# Altium PCB uStepper.PcbDoc (part 2 of 2) (continued)
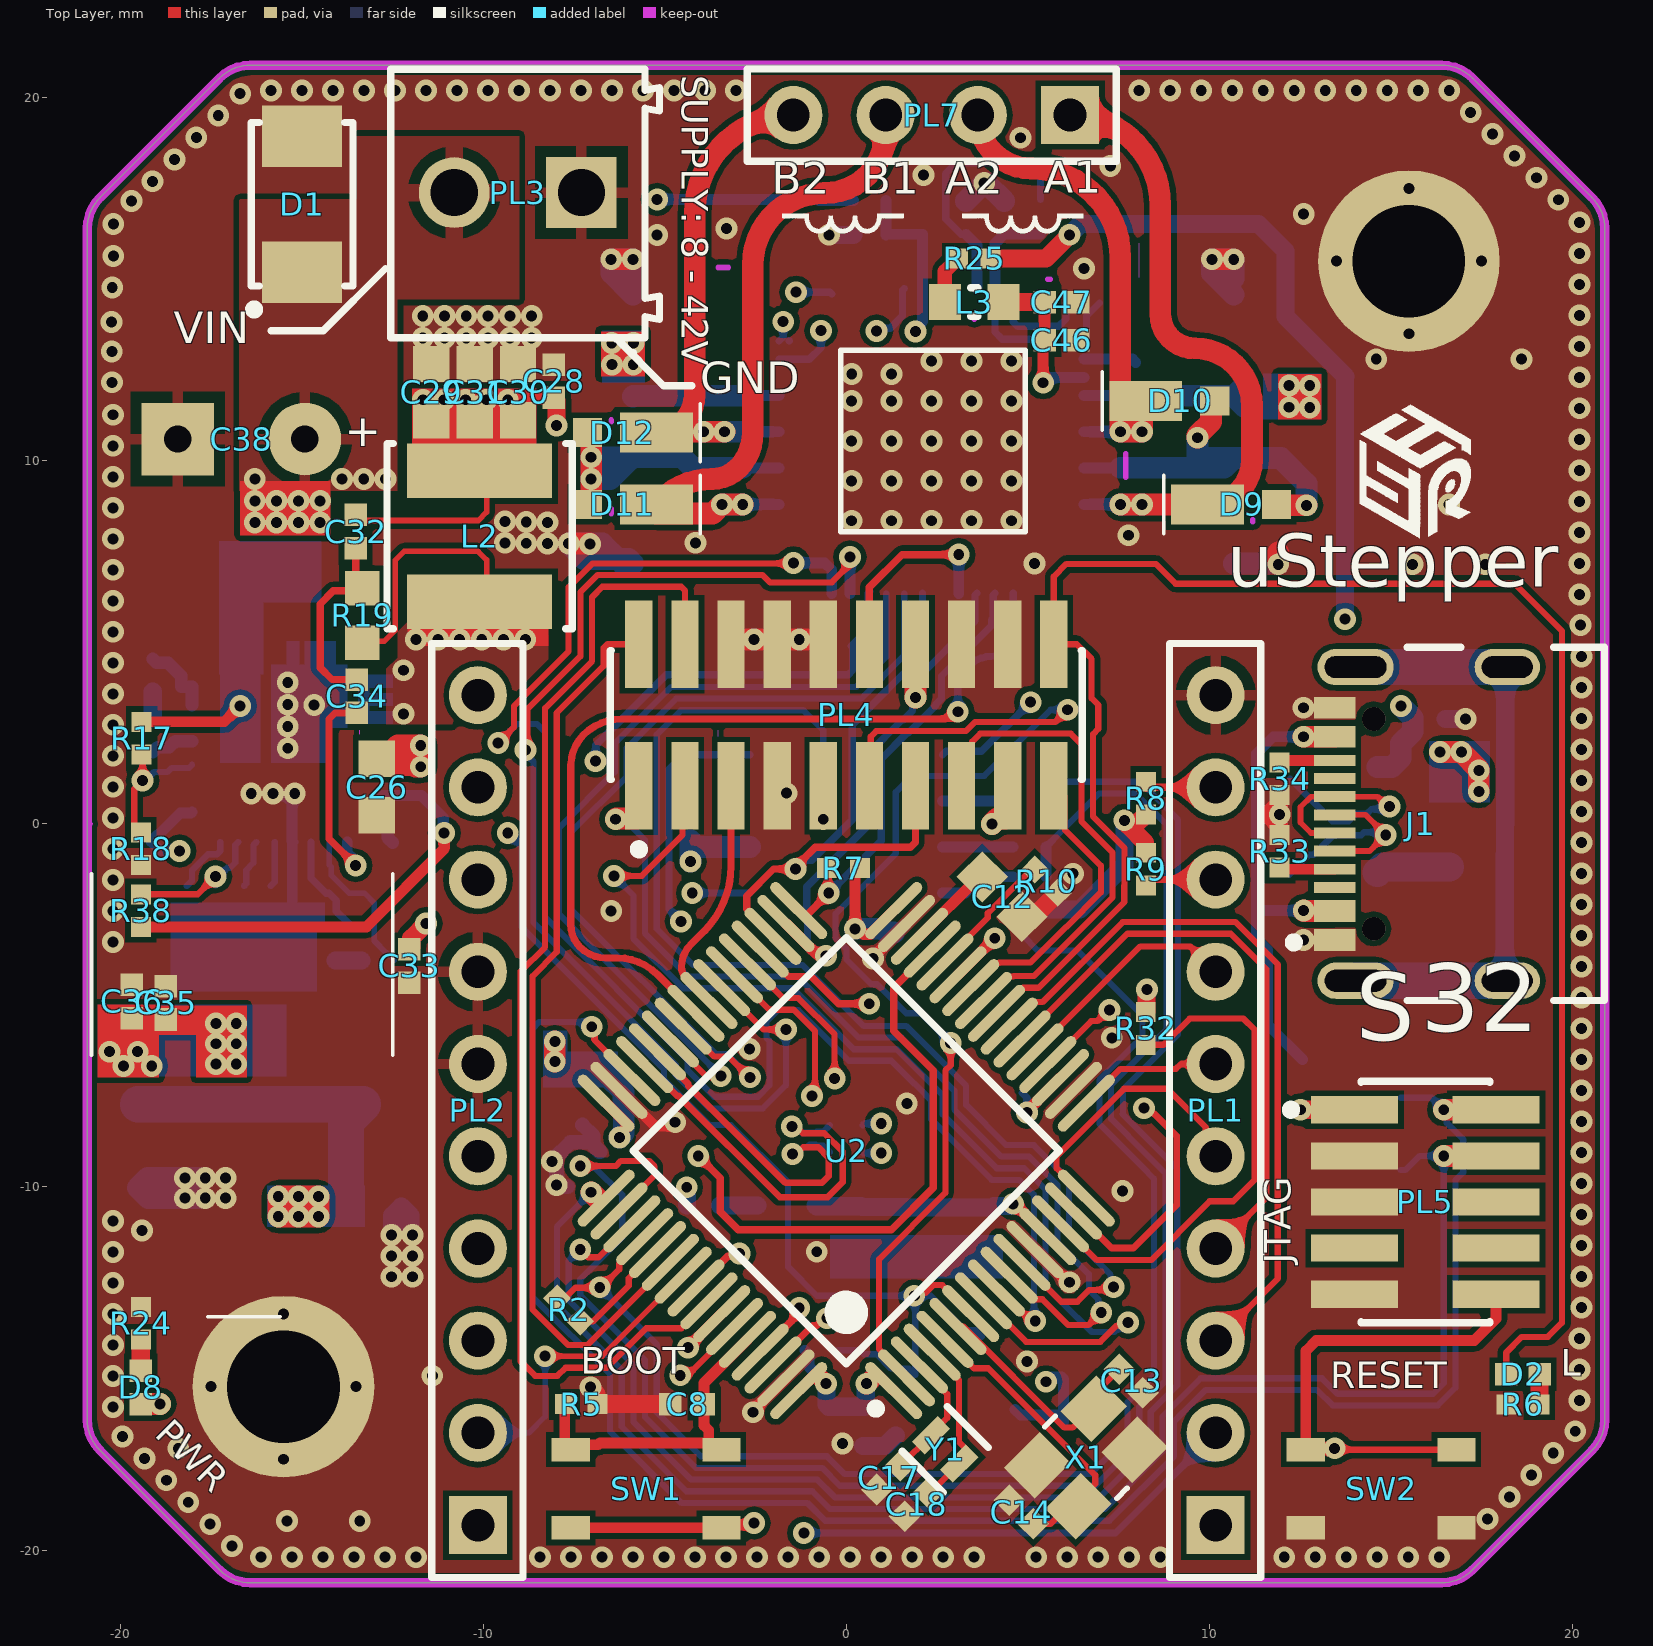
[diagram p0: Top Layer view]
## Nets (pads, with @x,y where several pads share a name; then routed paths per layer and width w, separated by ;. In a path a pad name is that pad's centre, name@x,y a point inside that pad or via, vN(x,y) a via of type N, cw(c..) or ccw(c..) an arc to the next point about the centre after c; other vN are vias at no path point) (continued)
  Bottom Layer w0.2: C48.2@3.3,16.24 3.16,16.24 2.738,16.663 2.738,17.913 3.027,18.202 5.048,18.202 5.35,17.9 R26.2@5.35,17.2
  Bottom Layer w0.3: C48.2@3.3,16.24 3.6,15.94 U5.33@3.6,14.75
NetC50_1: C50.1 R29.1 R30.1 R32.2 U5.30 | length 34.9
  Top Layer w0.5: R32.2@8.25,-5.184 8.269,-5.166 8.269,-4.576 v1(8.287,-4.558)
  Signal w0.2: v1(1.905,13.564) 1.88,13.539 1.88,13.101 1.755,12.975 0.365,12.975 0.152,13.188 0.152,14.148 0.52,14.516 5.163,14.516 6.778,12.901 6.778,7.507 9.093,5.191 9.093,-3.349 8.31,-4.132 8.31,-4.535 v1(8.287,-4.558)
  Bottom Layer w0.3: R30.1@1.1,17.175 1.096,17.171 1.096,16.717 1.092,16.713 1.096,16.709 1.096,16.229 R29.1@1.1,16.225 1.115,16.24 C50.1@2.1,16.24 U5.30@2.1,14.75 2.1,13.84 1.905,13.645 v1(1.905,13.564)
NetC51_1: C51.1 D11.1 D12.1 R28.2 U5.17 | length 11.8
  Top Layer w0.6: D11.1@-7.125,8.8 -7.025,8.9 v1(-7.025,9.5) v1(-7.025,10.1) -7.025,10.675 D12.1@-7.125,10.775
  Signal w0.6: v1(-7.025,9.5) v1(-7.025,10.1)
  GND w0.6: v1(-7.025,9.5) v1(-7.025,10.1)
  VCC w0.6: v1(-7.025,9.5) v1(-7.025,10.1)
  GND2 w0.6: v1(-7.025,9.5) v1(-7.025,10.1)
  Bottom Layer w0.3: -2.85,9.81 -2.84,9.8 U5.17@-1.85,9.8
  Bottom Layer w0.6: R28.2@-5.875,10.075 R28.2@-5.9,10.1 ; -2.85,9.81 C51.1@-4.225,9.81 -4.515,10.1 R28.2@-5.9,10.1 ; R28.2@-5.9,10.1 -6.5,9.5 v1(-7.025,9.5) v1(-7.025,10.1) R28.2@-5.9,10.1
NetC52_1: C52.1 D9.1 D10.1 R27.2 U5.44 | length 11.1
  Top Layer w0.6: v1(9.675,10.638) 9.675,10.7 10.05,11.075 10.05,11.55 D10.1@10.15,11.65 ; D9.1@11.85,8.8 11.875,8.775 v1(12.675,8.775)
  Bottom Layer w0.3: U5.44@6.55,9.8 7.54,9.8 7.55,9.81
  Bottom Layer w0.6: 7.55,9.81 10.41,9.81 R27.2@10.675,10.075 ; v1(9.675,10.638) 9.675,9.842 9.908,10.075 R27.2@10.675,10.075 ; v1(12.675,8.775) 12.675,9.375 11.975,10.075 R27.2@10.675,10.075
NetC53_2: C53.2 D7.2 J1.1 J1.2 J1.3 J1.4 R35.2 | length 17.1
  Bottom Layer w0.5: J1.3@18.208,-4.32 18.14,-4.252 18.14,-1.905 18.14,-1.702 C53.2@18.14,-0.838 18.145,-0.833 18.145,-0.005 R35.2@18.15,0 18.15,4.262 J1.4@18.208,4.32
  Bottom Layer w1: J1.1@14.028,-4.32 J1.3@18.208,-4.32 ; J1.2@14.028,4.32 J1.4@18.208,4.32
NetD2_2: D2.2 R6.2 | length 0.8
  Top Layer w0.5: R6.2@19.09,-15.991 19.095,-15.986 19.095,-15.164 D2.2@19.1,-15.159
NetD3_1: D3.1 F1.1 | length 2
  Bottom Layer w0.8: F1.1@14.626,-1.336 14.776,-1.186 D3.1@16.609,-1.186
NetD6_2: D6.2 F1.2 J1.A4-B9 J1.B4-A9 TP5.1 | length 19.6
  Top Layer w0.6: v1(12.598,2.4) J1.B4-A9@13.453,2.4 ; v1(12.6,-2.389) 12.611,-2.4 J1.A4-B9@13.453,-2.4
  Signal w0.6: v1(12.598,2.4) 12.883,2.115 14.849,2.115 15.303,2.569 15.303,3.225 v1(15.283,3.246)
  Bottom Layer w0.3: TP5.1@12.571,-6.491 11.611,-5.53 11.611,-3.47 11.294,-3.153 11.294,-2.403 ; v1(12.598,2.4) 11.761,2.4 11.294,1.933 11.294,-2.403 ; v1(12.6,-2.389) 11.309,-2.389 11.294,-2.403
  Bottom Layer w0.6: F1.2@14.626,1.564 15.026,1.564 15.276,1.814 15.276,2.214 15.603,2.541 D6.2@15.603,2.894 15.603,2.926 v1(15.283,3.246)
NetD8_2: D8.2 R24.2 | length 0.9
  Top Layer w0.5: D8.2@-19.431,-15.061 R24.2@-19.431,-14.203
NetD9_2: D9.2 PL7.1 U5.46 | length 20.7
  Top Layer w0.6: PL7.1@6.165,19.525 cw(c6.165,17.04) 8.65,17.04 8.65,14.05 ccw(c9.6,14.05) 9.6,13.1 cw(c9.6,11.525) 11.175,11.525 11.175,10.025 cw(c9.95,10.025) D9.2@9.95,8.8 v1(8.15,8.8) v1(7.55,8.8)
  Signal w0.6: v1(7.55,8.8) v1(8.15,8.8)
  GND w0.6: v1(7.55,8.8) v1(8.15,8.8)
  VCC w0.6: v1(7.55,8.8) v1(8.15,8.8)
  GND2 w0.6: v1(7.55,8.8) v1(8.15,8.8)
  Bottom Layer w0.3: U5.46@6.55,8.8 v1(7.55,8.8)
  Bottom Layer w0.6: v1(7.55,8.8) v1(8.15,8.8)
NetD10_2: D10.2 PL7.2 U5.42 | length 16.5
  Top Layer w0.6: PL7.2@3.625,19.525 ccw(c5.1,19.525) 5.1,18.05 cw(c5.1,15.6) 7.55,15.6 v1(7.55,10.8) v1(8.15,10.8) 8.15,11.55 D10.2@8.25,11.65
  Signal w0.6: v1(7.55,10.8) v1(8.15,10.8)
  GND w0.6: v1(7.55,10.8) v1(8.15,10.8)
  VCC w0.6: v1(7.55,10.8) v1(8.15,10.8)
  GND2 w0.6: v1(7.55,10.8) v1(8.15,10.8)
  Bottom Layer w0.3: U5.42@6.55,10.8 v1(7.55,10.8)
  Bottom Layer w0.6: v1(7.55,10.8) v1(8.15,10.8)
NetD11_2: D11.2 PL7.3 U5.15 | length 21.1
  Top Layer w0.6: v1(-2.85,8.8) v1(-3.425,8.8) -3.675,8.55 -5.225,8.55 D11.2@-5.225,8.8 -5.108,8.917 cw(c-3.7,7.508) -3.7,9.5 ccw(c-3.7,10.526) -2.974,9.801 ccw(c-3.939,10.765) -2.575,10.765 -2.575,15.4 cw(c-0.6,15.4) -0.6,17.375 ccw(c-0.6,19.06) 1.085,19.06 PL7.3@1.085,19.525 ccw(c1.109,19.501) PL7.3@1.075,19.501
  Signal w0.6: v1(-3.425,8.8) v1(-2.85,8.8)
  GND w0.6: v1(-3.425,8.8) v1(-2.85,8.8)
  VCC w0.6: v1(-3.425,8.8) v1(-2.85,8.8)
  GND2 w0.6: v1(-3.425,8.8) v1(-2.85,8.8)
  Bottom Layer w0.3: v1(-2.85,8.8) -2.84,8.8 U5.15@-1.85,8.8
  Bottom Layer w0.6: v1(-3.425,8.8) v1(-2.85,8.8)
NetD12_2: D12.2 PL7.4 U5.19 | length 17.2
  Top Layer w0.6: v1(-3.35,10.8) v1(-3.925,10.8) D12.2@-4.997,10.8 ; PL7.4@-1.475,19.477 cw(c-1.407,19.477) PL7.4@-1.455,19.525 ccw(c-1.455,16.805) -4.175,16.805 -4.175,11.825 cw(c-5.225,11.825) D12.2@-4.997,10.8 ; D12.2@-4.997,10.8 cw(c-5.225,11.825) D12.2@-5.225,10.775 cw(c-5.2,10.775) -5.2,10.8 D12.2@-4.997,10.8
  Signal w0.6: v1(-3.925,10.8) v1(-3.35,10.8)
  GND w0.6: v1(-3.925,10.8) v1(-3.35,10.8)
  VCC w0.6: v1(-3.925,10.8) v1(-3.35,10.8)
  GND2 w0.6: v1(-3.925,10.8) v1(-3.35,10.8)
  Bottom Layer w0.3: -2.85,10.8 U5.19@-1.85,10.8
  Bottom Layer w0.6: v1(-3.925,10.8) v1(-3.35,10.8) -2.85,10.8
NetJ1_A5: J1.A5 R33.2 | length 1.4
  Top Layer w0.3: R33.2@12.064,-1.2 12.114,-1.25 J1.A5@13.453,-1.25
NetJ1_B5: J1.B5 R34.2 | length 1.4
  Top Layer w0.3: R34.2@12.064,1.7 12.114,1.75 J1.B5@13.453,1.75
NetL1_1: L1.1 R12.2 | length 1
  Bottom Layer w0.5: R12.2@-3.482,-10.511 L1.1@-2.451,-10.511
NetL2_1: L2.1 R19.1 U3.12-13-14 | length 27.4
  Top Layer w0.152: R19.1@-13.335,4.99 -13.288,5.037 -12.721,5.037 -12.427,5.331 -12.427,7.258 -12.177,7.508 -10.143,7.508 -9.906,7.271 L2.1@-9.906,6.379
  Signal w0.6: v1(-12.192,3.032) v1(-12.192,4.232) -12.192,4.724 -11.841,5.076 v1(-11.247,5.076) v1(-10.647,5.076) v1(-10.039,5.076) v1(-9.439,5.076) v1(-8.839,5.076)
  GND w0.6: v1(-12.192,3.032) v1(-12.192,4.232) -12.192,4.724 -11.841,5.076 v1(-11.247,5.076) v1(-10.647,5.076) v1(-10.039,5.076) v1(-9.439,5.076) v1(-8.839,5.076)
  VCC w0.6: v1(-12.192,3.032) v1(-12.192,4.232) -12.192,4.724 -11.841,5.076 v1(-11.247,5.076) v1(-10.647,5.076) v1(-10.039,5.076) v1(-9.439,5.076) v1(-8.839,5.076)
  GND2 w0.6: v1(-12.192,3.032) v1(-12.192,4.232) -12.192,4.724 -11.841,5.076 v1(-11.247,5.076) v1(-10.647,5.076) v1(-10.039,5.076) v1(-9.439,5.076) v1(-8.839,5.076)
  other v1: -11.847,5.076
NetL3_1: L3.1 R25.1 | length 1.3
  Top Layer w0.4: L3.1@2.72,14.375 2.72,15.22 R25.1@3.075,15.575
NetR1_2: R1.2 U1.2 | length 1.9
  Bottom Layer w0.3: U1.2@2.65,0.635 R1.2@4.598,0.635
NetR3_2: R3.2 U1.4 | length 2.1
  Bottom Layer w0.3: U1.4@2.65,-1.905 3.278,-1.905 3.726,-1.457 R3.2@4.597,-1.457
NetR4_2: R4.2 U1.3 | length 1.9
  Bottom Layer w0.3: U1.3@2.65,-0.635 R4.2@4.598,-0.635
NetR10_2: R10.2 U2.28 | length 3.6
  Top Layer w0.17: U2.28@2.722,-3.803 2.722,-3.76 3.896,-2.586 3.896,-2.456 R10.2@5.145,-1.208
NetR13_2: R13.2 U3.5 U3.6 | length 2.1
  Bottom Layer w0.35: R13.2@-19.101,4.539 -19.001,4.439 -18.68,4.439 -18.318,4.077 -18.318,3.777 U3.6@-18.018,3.777 U3.5@-18.018,3.277
NetR14_1: R14.1 U3.21 | length 4.3
  Bottom Layer w0.152: U3.21@-14.243,-0.498 -14.243,-1.125 -14.18,-1.188 -14.18,-1.42 -13.695,-1.905 -13.269,-1.905 -13.001,-2.174 -13.001,-3.219 -12.67,-3.55 -12.658,-3.55 R14.1@-12.448,-3.759
NetR15_1: R15.1 U3.24 | length 1.3
  Bottom Layer w0.175: R15.1@-15.85,-1.709 -15.743,-1.602 U3.24@-15.743,-0.498
NetR17_1: R17.1 R18.2 U3.3 | length 3.9
  Top Layer w0.17: R18.2@-19.431,-0.236 -19.611,-0.056 -19.611,0.963 v1(-19.38,1.194) -19.38,1.887 R17.1@-19.406,1.912
  Bottom Layer w0.17: v1(-19.38,1.194) -19.303,1.194 -19.066,1.431 -18.693,1.431 -18.587,1.537 -18.108,1.537 U3.3@-18.018,1.627
NetR20_1: R20.1 R23.2 U3.22 | length 2.7
  Bottom Layer w0.2: U3.22@-14.743,-0.498 -14.743,-1.495 R23.2@-14.681,-1.557 -14.331,-1.907 -14.247,-1.907 -14.044,-2.109 -14.044,-2.403 R20.1@-13.704,-2.743
NetR21_2: R21.2 U3.25 | length 1.4
  Bottom Layer w0.175: R21.2@-16.586,-1.709 -16.531,-1.653 -16.531,-1.274 -16.328,-1.072 -16.328,-0.583 U3.25@-16.243,-0.498
NetR22_2: R22.2 U3.27 | length 1.7
  Bottom Layer w0.175: R22.2@-18.161,-1.709 -18.022,-1.57 -18.022,-1.277 -17.578,-0.833 -17.33,-0.833 -17.243,-0.745 U3.27@-17.243,-0.498
NetR30_2: R30.2 R31.2 | length 0.9
  Bottom Layer w0.3: R31.2@-0.75,17.175 R30.2@0.2,17.175
NetR38_1: R38.1 U3.18 | length 12.2
  Top Layer w0.3: R38.1@-19.431,-2.839 -13.219,-2.839 -11.074,-0.694 v1(-11.074,-0.25)
  Bottom Layer w0.3: U3.18@-12.968,0.777 -11.695,0.777 -11.101,0.184 -11.101,-0.223 v1(-11.074,-0.25)
PC13: PL4.11 U2.2 | length 32.4
  Top Layer w0.17: PL4.11@0.638,1.05 0.674,1.087 0.674,2.405 0.824,2.555 3.296,2.555 3.548,2.807 5.763,2.807 v1(6.099,3.143) ; U2.2@1.662,-15.258 1.662,-15.223 0.905,-14.466 0.905,-11.991 2.733,-10.163 2.733,-6.791 2.876,-6.648 v1(2.876,-6.036)
  Bottom Layer w0.17: v1(2.876,-6.036) 2.054,-5.213 1.652,-5.213 0.857,-4.418 0.69,-4.418 0.005,-3.734 0.005,-3.44 -0.291,-3.143 -0.291,-2.472 1.365,-0.816 1.365,0.877 1.808,1.32 3.804,1.32 5.627,3.143 v1(6.099,3.143)
PD2: PL4.2 U2.54 | length 25.2
  Top Layer w0.17: PL4.2@-5.712,4.95 -6.58,4.95 -6.679,4.85 -6.679,4.35 -7.973,3.056 -7.973,-3.524 -8.641,-4.192 -8.641,-13.379 -7.668,-14.352 -7.159,-14.352 -7.157,-14.35 -7.117,-14.35 U2.54@-4.844,-12.076
SD_MD: U2.39 U5.11 | length 32.2
  Top Layer w0.17: v1(-8.832,2.032) -8.785,2.079 -8.785,3.155 -7.323,4.616 -7.323,6.383 -6.853,6.854 -2.303,6.854 -2.102,6.653 -0.396,6.653 0.018,7.067 0.018,7.268 v1(0.1,7.35) ; U2.39@-3.429,-4.51 -2.274,-5.665 v1(-1.662,-5.665)
  Bottom Layer w0.17: v1(-8.832,2.032) -8.832,1.933 -8.617,1.718 -8.617,-2.71 -8.295,-3.032 -8.295,-3.034 -4.696,-6.632 -4.696,-6.911 -3.771,-7.836 -2.296,-7.836 -1.662,-7.202 v1(-1.662,-5.665)
  Bottom Layer w0.3: U5.11@0.1,6.35 v1(0.1,7.35)
SPI_MD: U2.9 U5.12 | length 45.2
  Top Layer w0.17: v1(-9.588,2.225) -9.154,2.659 -9.154,3.241 -7.645,4.75 -7.645,6.516 -6.986,7.176 -1.469,7.176 v1(-1.455,7.19) ; U2.9@4.137,-12.783 4.172,-12.783 5.002,-13.614 5.125,-13.614 v1(5.207,-13.696)
  Bottom Layer w0.17: v1(-9.588,2.225) -9.06,2.752 -8.522,2.752 -8.295,2.525 -8.295,-2.576 -4.376,-6.495 -4.376,-6.778 -3.638,-7.516 -2.428,-7.516 -2.115,-7.203 -2.115,-5.968 -2.197,-5.887 -2.197,-5.443 -1.881,-5.128 -1.322,-5.128 0.075,-6.526 1.238,-6.526 1.876,-7.163 1.89,-7.163 2.203,-7.477 2.203,-7.491 2.34,-7.627 2.34,-8.136 4.009,-9.805 4.765,-9.805 5.171,-10.211 5.171,-13.66 v1(5.207,-13.696)
  Bottom Layer w0.3: v1(-1.455,7.19) -0.591,7.19 -0.4,6.999 U5.12@-0.4,6.35
USB_N: R36.1 U2.44 | length 9.3
  Top Layer w0.18: U2.44@-5.197,-6.278 -5.197,-6.31 -4.355,-7.153 -4.355,-7.206 -1.672,-9.889 -0.672,-9.889 -0.486,-9.704 -0.486,-9.187 -0.765,-8.908 -1.184,-8.908 -1.37,-9.094 v1(-1.484,-9.094)
  Bottom Layer w0.18: v1(-1.484,-9.094) -1.37,-9.094 -1.184,-8.908 -1.077,-8.908 -1.009,-8.839 -0.838,-8.839 -0.812,-8.865 -0.635,-8.865 R36.1@-0.45,-9.05
USB_P: R37.1 U2.45 | length 10.9
  Top Layer w0.18: U2.45@-5.551,-6.631 -5.518,-6.631 -4.668,-7.482 -4.63,-7.482 -1.833,-10.279 -0.51,-10.279 -0.096,-9.865 -0.096,-9.025 -0.604,-8.518 -1.198,-8.518 -1.385,-8.331 v1(-1.499,-8.331)
  Bottom Layer w0.18: v1(-1.499,-8.331) -1.385,-8.331 -1.198,-8.518 -1.158,-8.518 -1.147,-8.506 -0.838,-8.506 -0.812,-8.481 -0.635,-8.481 R37.1@-0.45,-8.296
VIN: C20.1 C21.1 C22.2 C25.2 C38.1 C39.2 C40.1 C41.1 C42.1 C43.1 D1.3 PL2.4 PL2.5 PL3.2 R17.2 U3.1 U3.7-8-29 U5.21 U5.40 | length 53.9
  Top Layer w0.3: R17.2@-19.406,2.812 -17.131,2.812 v1(-16.693,3.25)
  VCC w0.3: -19.063,8.326 -19.063,6.891 -18.361,6.19 v1(-18.361,-0.745)
  VCC w1: PL2.5@-10.26,-9.039 PL2.5@-10.145,-9.154
  VCC w1.5: PL2.4@-10.145,-11.694 PL2.5@-10.145,-9.154 -10.118,-9.154 -9.03,-8.066 -7.706,-8.066 ; -7.166,-7.527 -7.706,-8.066 ; -5.831,7.691 -5.831,3.569 -3.012,0.749 -3.012,-3.373 -7.706,-8.066
  GND2 w0.6: v1@-6.457,12.655 v1(-6.457,13.249) v1(-5.857,13.249) -5.857,12.659 v1(-5.867,12.649) v1(-6.452,12.649) ; v1(12.2,12.075) v1@12.204,12.071 ; v1@12.204,12.071 12.204,11.471 v1(12.767,11.471) v1(12.767,12.071) v1@12.204,12.071
  Bottom Layer w0.3: v1(-18.361,-0.745) -18.367,-0.739 -18.892,-0.739 C25.2@-19.152,-0.48 -18.992,-0.32 -18.965,-0.32 -18.343,0.302 -18.043,0.302 U3.1@-18.018,0.327 ; C41.1@-3.125,11.79 -3.115,11.8 U5.21@-1.85,11.8 ; U5.40@6.55,11.8 7.54,11.8 7.55,11.79
  Bottom Layer w0.6: C43.1@-5.875,11.775 -5.86,11.79 C41.1@-3.125,11.79 C41.1@-2.85,11.79 ; 7.55,11.79 10.66,11.79 C42.1@10.675,11.775 ; C42.1@10.975,11.475 C42.1@10.675,11.775 ; C42.1@10.975,12.075 C42.1@10.675,11.775
  other v1: -16.29,8.298 -15.69,8.298 -15.09,8.298 -14.49,8.298 -16.29,8.898 -15.69,8.898 -15.09,8.898 -14.49,8.898 -16.29,9.498 -13.89,9.498 -13.29,9.498 -12.69,9.498 12.2,11.475
pads on no net: J1.- J1.-- J1.A8 J1.B8 PL5.6 PL5.7 PL5.8 U3.2 U3.15 U5.14 U5.16 U5.18 U5.20 U5.22 U5.26 U5.27 U5.28 U5.41 U5.43 U5.45 U5.47

## Polygon pours and split planes (outlines as drawn)
GND on Bottom Layer "Btm Layer-GND" (solid, remove dead copper, pour order 18): 16.9,-20.9 20.9,-16.9 20.9,16.9 16.9,20.9 -16.9,20.9 -20.9,16.9 -20.9,-16.9 -16.9,-20.9
GND on Bottom Layer "NONET_L-01_P-001" (solid, pour order 19): 4.893,-14.665 4.201,-13.973 1.308,-16.866 1.308,-20.198 2.01,-20.9 8.271,-20.9 8.64,-20.9 9.138,-20.402 9.138,-15.219 8.299,-14.38 7.225,-14.38 6.94,-14.665
VIN on Bottom Layer "Bottom Layer-VIN" (solid, pour order 2): -16.743,11.775 -12.379,11.775 -12.364,11.79 -12.364,9.172 -14.068,9.172 -14.072,9.176 -14.097,9.15 -14.097,7.875 -14.452,7.875 -14.453,7.876 -14.453,6.975 -16.743,6.975
NetL2_1 on Bottom Layer "NONET_L-01_P-001" (solid, pour order 8): -13.443,2.752 -13.433,2.743 -8.204,2.743 -8.204,5.194 -8.472,5.461 -12.189,5.461 -12.359,5.29 -12.359,4.583 -12.675,4.267 -13.443,4.267
GND on Top Layer "Top Layer-GND" (solid, remove dead copper, pour order 16): 16.9,-20.9 20.9,-16.9 20.9,16.9 16.9,20.9 -16.9,20.9 -20.9,16.9 -20.9,-16.9 -16.9,-20.9
GND on Top Layer "NONET_L-01_P-001" (solid, pour order 23): 4.893,-14.665 4.201,-13.973 1.308,-16.866 1.308,-20.198 2.01,-20.9 8.271,-20.9 8.64,-20.9 9.138,-20.402 9.138,-15.219 8.299,-14.38 7.225,-14.38 6.94,-14.665
NetL2_1 on Top Layer "NONET_L-01_P-001" (solid, pour order 7): -12.675,2.743 -8.204,2.743 -8.204,5.194 -8.686,5.676 -11.974,5.676 -12.359,5.29 -12.359,4.583 -12.675,4.267
VIN on Top Layer "Top Layer-VIN 1" (solid, pour order 4): -13.487,18.944 -9.011,18.944 -9.011,14.453 -13.487,14.453
VIN on Top Layer "Top Layer-VIN" (solid, pour order 6): -12.37,9.169 -16.715,9.169 -16.715,17.178 -16.693,17.2 -12.37,17.2
GND on GND "NONET_L-01_P-001" (solid, pour order 17): 4.893,-14.665 4.201,-13.973 1.308,-16.866 1.308,-20.198 2.01,-20.9 8.271,-20.9 8.64,-20.9 9.138,-20.402 9.138,-15.219 8.299,-14.38 7.225,-14.38 6.94,-14.665
GND on GND "NONET_L-01_P-001" (solid, remove dead copper, pour order 13): 23.647,24.536 22.327,23.216 22.327,-22.708 -21.209,-22.708 -22.708,-24.206 -22.936,-23.978 -22.936,23.266
GND on VCC "NONET_L-01_P-001" (solid, pour order 9): -0.559,13.919 -0.559,7.468 6.325,7.468 6.325,13.919
+5V on VCC "NONET_L-01_P-001" (solid, remove dead copper, pour order 12): -12.04,12.065 -8.941,12.065 -8.941,6.418 -12.522,2.836 -12.522,-6.266 -13.267,-7.01 -20.027,-7.01 -20.558,-6.48 -20.558,-1.138 -12.04,7.38 -12.04,7.747
3V3 on VCC "NONET_L-01_P-001" (solid, remove dead copper, pour order 15): 16.739,0.291 7.061,0.291 6.403,-0.367 6.403,-16.728 -6.521,-16.728 -6.521,-8.132 -3.692,-5.303 -3.692,1.113 -7.304,4.724 -12.736,4.724 -16.251,1.209 -16.367,-13.731 -10.207,-19.892 16.739,-19.892
GND on VCC "VCC-No Net 1" (solid, remove dead copper, pour order 33): -22.362,23.368 -22.362,-21.473 25.085,-21.473 21.021,-17.409 21.021,23.368
VIN on VCC "VCC-No Net" (solid, remove dead copper, pour order 25): -21.688,7.691 1.635,7.691 22.463,7.691 23.377,8.605 23.377,27.757 -26.864,27.757 -26.889,27.782
3V3 on VCC "NONET_L-01_P-001" (solid, pour order 31): -7.493,-5.055 -11.887,-5.055 -16.118,-9.285 -16.118,-11.06 -15.799,-11.379 -14.14,-11.379 -10.889,-8.128 -8.89,-8.128 -7.493,-6.731
GND on Signal "NONET_L-01_P-001" (solid, pour order 14): -0.559,13.919 -0.559,7.468 6.325,7.468 6.325,13.919
VIN on Signal "VCC-No Net" (solid, remove dead copper, pour order 29): -21.688,7.691 1.635,7.691 22.463,7.691 23.377,8.605 23.377,27.757 -26.864,27.757 -26.889,27.782
GND on Signal "VCC-No Net 1" (solid, remove dead copper, pour order 32): -22.362,23.368 -22.362,-21.473 25.085,-21.473 21.021,-17.409 21.021,23.368
GND on GND2 "NONET_L-01_P-001" (solid, remove dead copper, pour order 27): 23.647,24.536 22.327,23.216 22.327,-22.708 -21.209,-22.708 -22.708,-24.206 -22.936,-23.978 -22.936,23.266
VIN on GND2 "GND2-VIN" (solid, pour order 3): -16.586,12.135 -12.209,12.135 -12.209,8.001 -16.586,8.001

## Keep-outs
Top Layer:
  lines w0.01: -13.4,2.471 -13.4,2.585 ; -3.525,2.421 -3.525,2.576
  lines w0.02: 8.075,15.05 8.075,16
  lines w0.153: -6.475,8.55 -6.475,8.675 ; -6.475,11.075 -6.475,11.125 ; -3.525,15.325 -3.25,15.325 ; 3.525,13.9 3.525,14 ; 5.55,15 5.625,15 ; 7.7,9.55 7.7,10.2 ; 11.2,8.325 11.2,8.375
Bottom Layer:
  lines w0.05: -18.618,-1.905 -18.796,-1.905 -18.796,-2.032 -18.796,-4.801 -14.663,-4.801 -14.406,-4.801 -14.402,-4.797 -14.402,-4.699 -14.402,-3.15
  lines w0.153: -6.675,10.925 -6.575,10.925 ; 2.7,16.075 2.7,16.1 ; 4.55,15.7 4.6,15.7 ; 7.2,13.75 7.225,13.75 ; 11.598,10.853 11.889,10.709
Keep-Out Layer:
  lines w0.01: -20.8,16.892 -20.514,17.178 ; -20.9,11.9 -20.9,11.9
  lines w0.1: -20.9,-0.1 -20.8,0
  lines w0.254: -17.255,-20.554 ccw(c-16.406,-19.696) -16.412,-20.903 ; -17.255,-20.554 -20.557,-17.251 cw(c-19.699,-16.403) -20.906,-16.403 -20.906,16.397 cw(c-19.699,16.397) -20.553,17.251 -17.26,20.544 cw(c-16.406,19.69) -16.406,20.897 16.394,20.897 cw(c16.394,19.69) 17.247,20.544 20.54,17.251 cw(c19.687,16.397) 20.894,16.397 20.894,-16.403 cw(c19.687,-16.403) 20.545,-17.251 17.243,-20.554 cw(c16.394,-19.696) 16.399,-20.903 -16.412,-20.903

## Other copper
Top Layer:
  rectangle net NetL2_1: -12.09,4.902 -8.204,6.248
  rectangle net VIN: -6.756,12.323 -5.542,13.564
  rectangle net VIN: 11.887,11.145 13.093,12.395
  rectangle net +5V: -11.963,9.804 -8.534,11.989
  rectangle net +5V: -20.625,-6.985 -18.923,-4.978
  rectangle net +5V: -20.244,-5.817 -17.297,-5.004
  rectangle net +5V: -17.907,-6.985 -16.51,-5.004
  rectangle net VIN: -16.693,7.95 -14.199,9.45
GND:
  rectangle net VIN: -6.756,12.323 -5.542,13.564
  rectangle net VIN: 11.887,11.145 13.093,12.395
Bottom Layer:
  rectangle net GND: -0.441,-12.526 4.318,-11.328
  rectangle net +5V: -20.625,-6.96 -15.418,-4.978
  rectangle net VIN: -17.272,6.096 -14.453,7.798
  rectangle net VIN: -17.272,4.115 -16.053,7.798
  rectangle net VIN: 11.485,11.145 13.093,12.401
  rectangle net VIN: -6.731,12.15 -5.54,13.594
  rectangle net +5V: -11.963,9.804 -8.534,11.989
  rectangle net 3V3: -8.357,-6.769 -7.671,-5.69
  rectangle net 3V3: -8.357,-7.264 -6.292,-6.274
  rectangle net +5V: 16.053,0.584 17.729,2.286
  rectangle net 3V3: -15.951,-11.1 -13.259,-9.957
  rectangle net GND: -14.707,-2.921 -14.351,-2.159
  rectangle net GND: -18.618,-4.623 -14.58,-2.159

## Silkscreen, mask and mechanical layers (free items; w line width, h text height)
Top Overlay:
  drawing of 18 lines, arcs and shapes, not listed
  text "SUPPLY: 8 - 42V" at -4.775,20.625 h1.25 r270
  text "A1" at 5.447,17.095 h1.5
  text "B2" at -2.057,17.069 h1.5
  text "B1" at 0.416,17.069 h1.5
  text "A2" at 2.726,17.069 h1.5
  text "VIN" at -18.517,12.954 h1.5
  text "GND" at -4.025,11.575 h1.5
  text "+" at -13.818,10.109 h1.5
  text "uStepper" at 10.49,6.045 h2.5
  text "32" at 15.823,-6.325 h3.2
  text "S" at 14.031,-6.579 h3.2
  text "JTAG" at 12.497,-12.116 h1.25 r90
  text "BOOT" at -7.315,-15.392 h1.25
  text "L" at 19.685,-15.443 h1.25
  text "RESET" at 13.335,-15.799 h1.25
  text "PWR" at -19.253,-17.018 h1.25 r315
Bottom Overlay:
  lines w0.125: -9.034,-6.731 -8.534,-6.731 ; -9.034,-4.191 -8.534,-4.191 ; -8.784,-6.981 -8.534,-6.981 -8.284,-6.981 ; -8.784,-4.441 -8.534,-4.441 -8.284,-4.441 ; -8.584,-7.231 -8.534,-7.231 -8.484,-7.231 ; -8.584,-4.691 -8.534,-4.691 -8.484,-4.691 ; -8.534,-6.131 -8.534,-6.731 ; -8.534,-3.591 -8.534,-4.191 ; -8.034,-6.731 -8.534,-6.731 ; -8.034,-4.191 -8.534,-4.191 ; 8.06,3.556 8.56,3.556 ; 8.31,3.306 8.56,3.306 ; 8.51,3.056 8.56,3.056 ; 8.56,4.156 8.56,3.556 ; 8.648,3.046 8.698,3.046 ; 8.648,3.296 8.898,3.296 ; 9.06,3.556 8.56,3.556
  text "Rev .GlobalProjectRevision" at -4.375,18.75 h2
  text "VIN" at -9.525,15.342 h1.25
  text "GND" at -5.944,15.342 h1.25
  text "R" at 16.619,3.86 h8
  text "RST" at -7.296,3.2 h1.25
  text "3V3" at -7.061,0.625 h1.25
  text "D8" at 9.119,0.635 h1.25
  text "5V" at -7.645,-1.905 h1.25
  text "D7" at 9.119,-1.905 h1.25
  text "D6" at 9.119,-4.445 h1.25
  text "D5" at 9.119,-6.985 h1.25
  text "D4" at 9.119,-9.525 h1.25
  text "VIN" at -7.061,-9.652 h1.25
  text "VIN" at -7.061,-11.965 h1.25
  text "D3" at 9.119,-12.065 h1.25
  text "D2" at 9.119,-14.605 h1.25
  text "D11" at -6.943,-14.661 h1.25
  text "D1" at 9.119,-17.145 h1.25
  text "D10" at -6.943,-17.201 h1.25
  text "D0" at 9.119,-19.685 h1.25
  text "D9" at -7.578,-19.741 h1.25
  text "p" at -2.083,-20.904 h6
Top Solder:
  rectangle: 0.15,8.35 4.625,12.75
Board outline:
  the board outline again, w0.254
Mechanical 4:
  circle w0.254: c0,0 r2.5
Mechanical 30:
  circle w0.013: c15.508,15.519 r1.6
  circle w0.013: c-15.494,-15.481 r1.6
  circle w0.254: c15.5,15.5 r3.002
  circle w0.254: c-15.5,-15.5 r3.002
  lines w0.013: -23.094,-14.881 ccw(c-21.094,-14.881) -21.094,-16.881 ; -23.094,-14.881 ccw(c-21.094,-14.881) -21.094,-16.881 ; -23.094,-14.881 -23.094,14.919 ; -23.094,-14.881 -23.094,14.919 ; -23.094,14.919 cw(c-21.094,14.919) -21.094,16.919 ; -23.094,14.919 cw(c-21.094,14.919) -21.094,16.919 ; -21.094,-16.881 -20.894,-16.881 ; -21.094,-16.881 -20.894,-16.881 ; -21.094,16.919 -20.894,16.919 ; -21.094,16.919 -20.894,16.919 ; -20.994,-9.481 ccw(c-18.994,-9.481) -18.994,-11.481 ; -20.994,-9.481 ccw(c-18.994,-9.481) -18.994,-11.481 ; -20.994,-9.481 -20.994,11.919 ; -20.994,-9.481 -20.994,11.919 ; -20.994,11.919 cw(c-18.994,11.919) -18.994,13.919 ; -20.994,11.919 cw(c-18.994,11.919) -18.994,13.919 ; -20.894,-16.881 -16.894,-20.881 ; -20.894,-16.881 -16.894,-20.881 ; -20.894,16.919 -16.894,20.919 ; -20.894,16.919 -16.894,20.919 ; -18.994,-11.481 -15.494,-11.481 ; -18.994,-11.481 -15.494,-11.481 ; -18.994,13.919 -18.607,13.919 ; -18.994,13.919 -18.607,13.919 ; -18.607,13.919 ccw(c-15.494,15.519) -16.895,12.312 ; -18.607,13.919 ccw(c-15.494,15.519) -16.895,12.312 ; -16.895,12.312 cw(c-17.296,11.395) -16.444,11.919 ; -16.895,12.312 cw(c-17.296,11.395) -16.444,11.919 ; -16.894,-21.081 ccw(c-14.894,-21.081) -14.894,-23.081 ; -16.894,-21.081 ccw(c-14.894,-21.081) -14.894,-23.081 ; -16.894,-21.081 -16.894,-20.881 ; -16.894,-21.081 -16.894,-20.881 ; -16.894,20.919 -16.894,21.119 ; -16.894,20.919 -16.894,21.119 ; -16.894,21.119 cw(c-14.894,21.119) -14.894,23.119 ; -16.894,21.119 cw(c-14.894,21.119) -14.894,23.119 ; -16.894,21.119 -16.894,21.119 ; -16.894,21.119 -16.894,21.119 ; -16.444,11.919 -12.894,11.919 ; -16.444,11.919 -12.894,11.919 ; -15.494,-11.481 cw(c-15.494,-15.481) -11.494,-15.481 ; -15.494,-11.481 cw(c-15.494,-15.481) -11.494,-15.481 ; -14.894,-23.081 14.908,-23.081 ; -14.894,-23.081 14.908,-23.081 ; -14.894,23.119 14.908,23.119 ; -14.894,23.119 14.908,23.119 ; -13.894,18.632 cw(c-15.494,15.519) -12.287,16.92 ; -13.894,18.632 cw(c-15.494,15.519) -12.287,16.92 ; -13.894,18.632 -13.894,19.019 ; -13.894,18.632 -13.894,19.019 ; -13.894,19.019 cw(c-11.894,19.019) -11.894,21.019 ; -13.894,19.019 cw(c-11.894,19.019) -11.894,21.019 ; -12.894,11.919 ccw(c-12.894,12.919) -11.894,12.919 ; -12.894,11.919 ccw(c-12.894,12.919) -11.894,12.919 ; -12.287,16.92 ccw(c-11.37,17.321) -11.894,16.469 ; -12.287,16.92 ccw(c-11.37,17.321) -11.894,16.469 ; -11.894,12.919 -11.894,16.469 ; -11.894,12.919 -11.894,16.469 ; -11.894,21.019 9.508,21.019 ; -11.894,21.019 9.508,21.019 ; -11.494,-18.981 ccw(c-9.494,-18.981) -9.494,-20.981 ; -11.494,-18.981 ccw(c-9.494,-18.981) -9.494,-20.981 ; -11.494,-18.981 -11.494,-15.481 ; -11.494,-18.981 -11.494,-15.481 ; -9.494,-20.981 11.908,-20.981 ; -9.494,-20.981 11.908,-20.981 ; 9.508,21.019 cw(c9.508,19.019) 11.508,19.019 ; 9.508,21.019 cw(c9.508,19.019) 11.508,19.019 ; 11.508,15.519 ccw(c15.508,15.519) 15.508,11.519 ; 11.508,15.519 ccw(c15.508,15.519) 15.508,11.519 ; 11.508,15.519 11.508,19.019 ; 11.508,15.519 11.508,19.019 ; 11.908,-20.981 ccw(c11.908,-18.981) 13.908,-18.981 ; 11.908,-20.981 ccw(c11.908,-18.981) 13.908,-18.981 ; 11.908,-16.431 cw(c11.385,-17.283) 12.301,-16.883 ; 11.908,-16.431 cw(c11.385,-17.283) 12.301,-16.883 ; 11.908,-16.431 11.908,-12.881 ; 11.908,-16.431 11.908,-12.881 ; 11.908,-12.881 cw(c12.908,-12.881) 12.908,-11.881 ; 11.908,-12.881 cw(c12.908,-12.881) 12.908,-11.881 ; 12.301,-16.883 ccw(c15.508,-15.481) 13.908,-18.594 ; 12.301,-16.883 ccw(c15.508,-15.481) 13.908,-18.594 ; 12.908,-11.881 16.458,-11.881 ; 12.908,-11.881 16.458,-11.881 ; 13.908,-18.981 13.908,-18.594 ; 13.908,-18.981 13.908,-18.594 ; 14.908,-23.081 ccw(c14.908,-21.081) 16.908,-21.081 ; 14.908,-23.081 ccw(c14.908,-21.081) 16.908,-21.081 ; 14.908,23.119 cw(c14.908,21.119) 16.908,21.119 ; 14.908,23.119 cw(c14.908,21.119) 16.908,21.119 ; 15.508,11.519 19.008,11.519 ; 15.508,11.519 19.008,11.519 ; 16.458,-11.881 ccw(c17.31,-11.358) 16.91,-12.274 ; 16.458,-11.881 ccw(c17.31,-11.358) 16.91,-12.274 ; 16.908,-21.081 16.908,-21.081 ; 16.908,-21.081 16.908,-20.881 ; 16.908,-21.081 16.908,-20.881 ; 16.908,-21.081 16.908,-21.081 ; 16.908,-20.881 20.908,-16.881 ; 16.908,-20.881 20.908,-16.881 ; 16.908,20.919 20.908,16.919 ; 16.908,20.919 16.908,21.119 ; 16.908,20.919 16.908,21.119 ; 16.908,20.919 20.908,16.919 ; 16.91,-12.274 cw(c15.508,-15.481) 18.621,-13.881 ; 16.91,-12.274 cw(c15.508,-15.481) 18.621,-13.881 ; 18.621,-13.881 19.008,-13.881 ; 18.621,-13.881 19.008,-13.881 ; 19.008,-13.881 ccw(c19.008,-11.881) 21.008,-11.881 ; 19.008,-13.881 ccw(c19.008,-11.881) 21.008,-11.881 ; 19.008,11.519 cw(c19.008,9.519) 21.008,9.519 ; 19.008,11.519 cw(c19.008,9.519) 21.008,9.519 ; 20.908,-16.881 21.108,-16.881 ; 20.908,-16.881 21.108,-16.881 ; 20.908,16.919 21.108,16.919 ; 20.908,16.919 21.108,16.919 ; 21.008,-11.881 21.008,9.519 ; 21.008,-11.881 21.008,9.519 ; 21.108,-16.881 ccw(c21.108,-14.881) 23.108,-14.881 ; 21.108,-16.881 ccw(c21.108,-14.881) 23.108,-14.881 ; 21.108,16.919 cw(c21.108,14.919) 23.108,14.919 ; 21.108,16.919 cw(c21.108,14.919) 23.108,14.919 ; 23.108,-14.881 23.108,14.919 ; 23.108,-14.881 23.108,14.919